# Altium PCB 191228 PCB.PcbDoc (part 1 of 3) (continued)
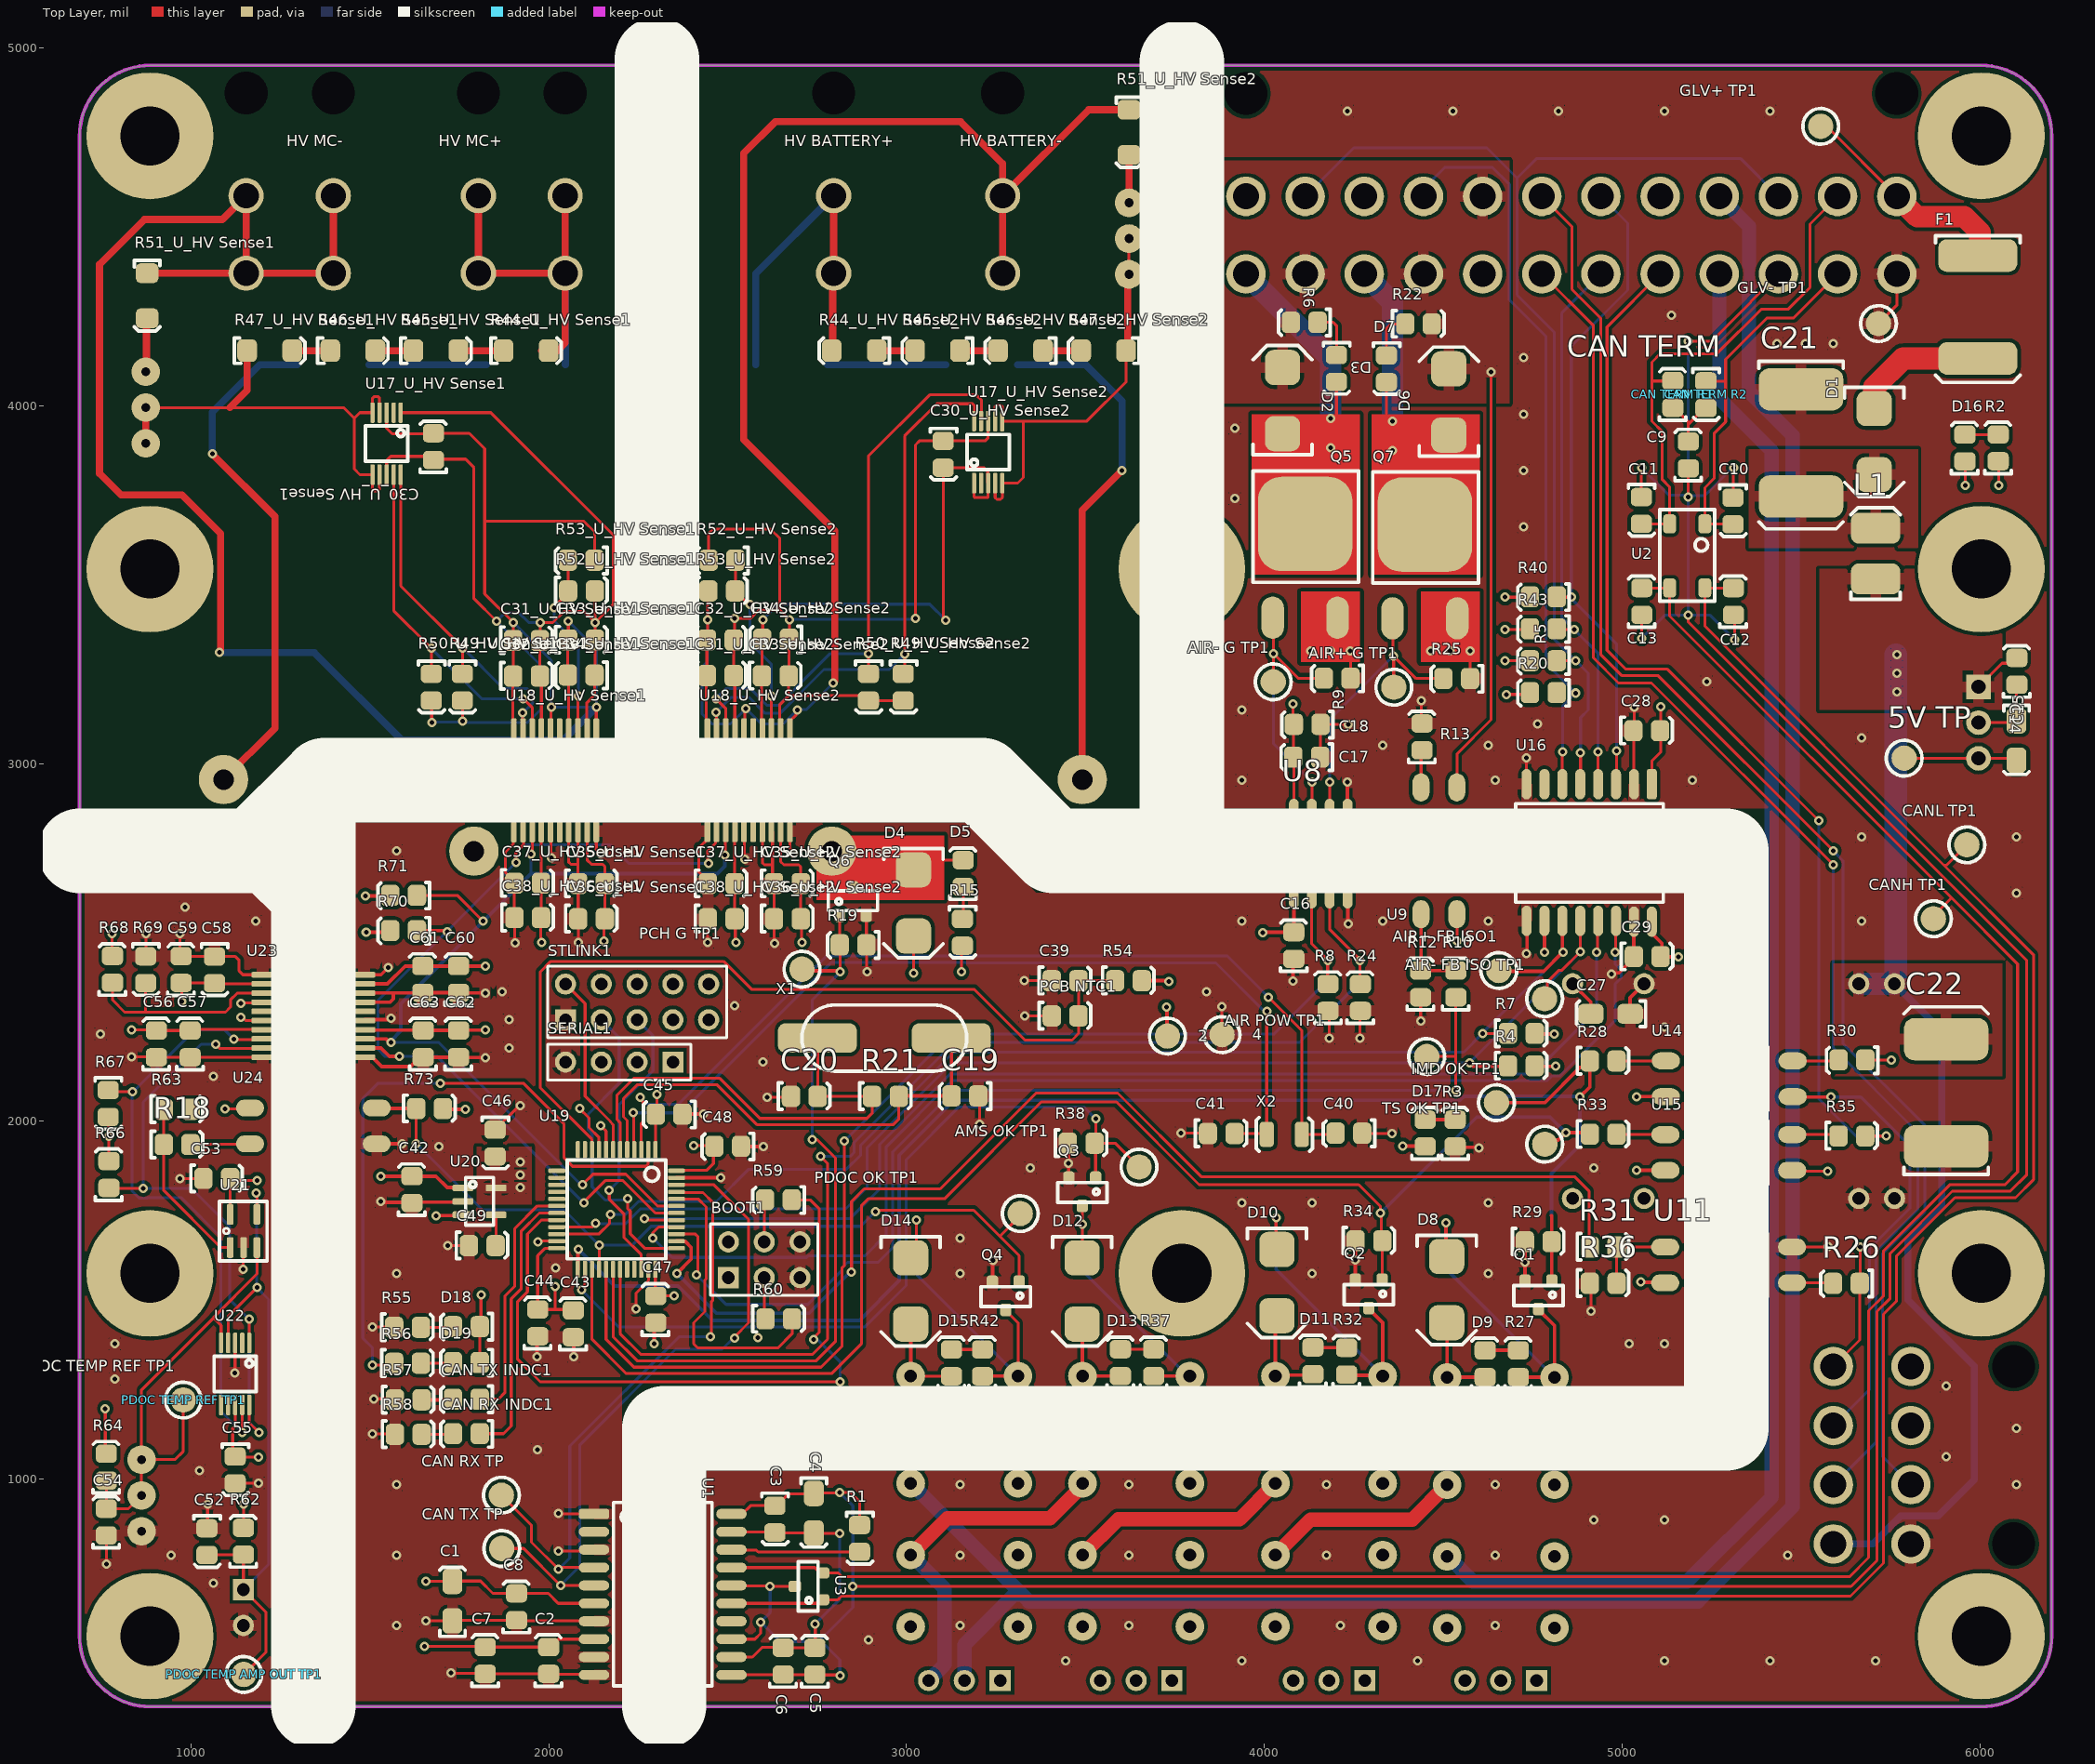
[diagram p0: Top Layer view]
## Classes and differential pairs
channel class "HV Sense": "U_HV Sense1" "U_HV Sense2"
component class "U_HV Sense2": "C30_U_HV Sense2" "C31_U_HV Sense2" "C32_U_HV Sense2" "C33_U_HV Sense2" "C34_U_HV Sense2" "C35_U_HV Sense2" "C36_U_HV Sense2" "C37_U_HV Sense2" "C38_U_HV Sense2" "R44_U_HV Sense2" "R45_U_HV Sense2" "R46_U_HV Sense2" "R47_U_HV Sense2" "R48_U_HV Sense2" "R49_U_HV Sense2" "R50_U_HV Sense2" "R51_U_HV Sense2" "R52_U_HV Sense2" "R53_U_HV Sense2" "U17_U_HV Sense2" "U18_U_HV Sense2"
component class "U_HV Sense1": "C30_U_HV Sense1" "C31_U_HV Sense1" "C32_U_HV Sense1" "C33_U_HV Sense1" "C34_U_HV Sense1" "C35_U_HV Sense1" "C36_U_HV Sense1" "C37_U_HV Sense1" "C38_U_HV Sense1" "R44_U_HV Sense1" "R45_U_HV Sense1" "R46_U_HV Sense1" "R47_U_HV Sense1" "R48_U_HV Sense1" "R49_U_HV Sense1" "R50_U_HV Sense1" "R51_U_HV Sense1" "R52_U_HV Sense1" "R53_U_HV Sense1" "U17_U_HV Sense1" "U18_U_HV Sense1"
component class "U_Digital Isolation": C28 C29 R26 R31 R36 R40 R43 U11 U16
component class U_PDOC: C52 C53 C54 C55 C56 C57 C58 C59 C60 C61 C62 C63 FTDI1 "PDOC NTC1" "PDOC TEMP AMP OUT TP1" "PDOC TEMP REF TP1" R18 R62 R63 R64 R65 R66 R67 R68 R69 R73 R75 R81 RESET1 U21 U22 U23 U24
component class U_Microcontroller: BOOT1 C19 C20 C39 C40 C41 C42 C43 C44 C45 C46 C47 C48 C49 "CAN RX INDC1" "CAN TX INDC1" D18 D19 "PCB NTC1" R21 R54 R55 R56 R57 R58 R59 R60 R70 R71 R75 R81 R82 R83 SERIAL1 STLINK1 U19 U20 X1 X2
component class "U_Safety Loops": "AMS Bypass1" "AMS OK TP1" D8 D9 D10 D11 D12 D13 D14 D15 "IMD Bypass1" "IMD OK TP1" K1 K2 K3 K4 "PDOC Bypass1" "PDOC OK TP1" Q1 Q2 Q3 Q4 R27 R28 R29 R30 R32 R33 R34 R35 R37 R38 R42 R81 R83 "TS Bypass1" "TS OK TP1" U14 U15
component class U_Precharge: "AIR POW TP1" "AIR+ FB ISO1" "AIR+ G TP1" "AIR- FB ISO TP1" "AIR- G TP1" C16 C17 C18 D2 D3 D4 D5 D6 D7 "PCH G TP1" Q5 Q6 Q7 R4 R5 R6 R7 R8 R9 R10 R11 R12 R13 R14 R15 R16 R17 R19 R20 R22 R24 R25 U8 U9 U10
component class "U_Power Supply": 2 4 "5V TP" C14 C15 C21 C22 C27 D1 D16 D17 F1 "GLV+ TP1" "GLV- TP1" L1 R2 R3 U4 U5
component class U_CAN: C1 C2 C3 C4 C5 C6 C7 C8 C9 C10 C11 C12 C13 "CAN RX TP" "CAN TERM R1" "CAN TERM R2" "CAN TX TP" "CANH TP1" "CANL TP1" R1 U1 U2 U3
component class "Top Level": "HV BATTERY+" "HV BATTERY+1" "HV BATTERY-" "HV BATTERY-1" "HV IMD+" "HV IMD+1" "HV IMD-" "HV IMD-1" "HV MC+" "HV MC+1" "HV MC-" "HV MC-1" "IMD INTERFACE" "IMD INTERFACE1" "PRIMARY INTERFACE" "PRIMARY INTERFACE1"

## Components (designator, comment, footprint, x,y, rotation, side; value= is the part's Value field where it differs from the comment)
2 "0mm" "SMD Test Point" 3729.33,2238.19 r90 top
4 "0mm" "SMD Test Point" 3881.89,2242.13 r90 top
"5V TP" "0mm" "SMD Test Point" 5788.39,3014.76 r90 top
"AIR POW TP1" "0mm" "SMD Test Point" 4454,2181 r90 top
"AIR+ FB ISO1" "0mm" "SMD Test Point" 4655.51,2421.26 r90 top
"AIR+ G TP1" "0mm" "SMD Test Point" 4362,3213 r90 top
"AIR- FB ISO TP1" "0mm" "SMD Test Point" 4783.46,2342.52 r90 top
"AIR- G TP1" "0mm" "SMD Test Point" 4025,3228 r90 top
"AMS Bypass1" "2.54mm" "TH 2.54mm Header 1x3" 3741.91,437.01 r180 bottom
"AMS OK TP1" "0mm" "SMD Test Point" 3650,1872 r90 top
BOOT1 "2.54mm" "TH 2.54mm Header 2x3" 2502.36,1562.99 r0 top
C1 "10nF" 1206 1731.31,706.22 r90 top
C2 "100nF" 0805 1999.02,493.62 r90 top
C3 "100nF" 0805 2633.35,887.82 r270 top
C4 "10nF" 1206 2741.34,857.33 r270 top
C5 "10uF" 0805 2743.12,491.65 r90 top
C6 "100nF" 0805 2654.54,491.65 r90 top
C7 "10uF" 0805 1821.86,493.62 r90 top
C8 "100nF" 0805 1909.41,643.7 r90 top
C9 "22pF" 0805 5184.09,3862.57 r90 top
C10 "100pF" 0805 5310.9,3705.09 r270 top
C11 "100pF" 0805 5054.99,3706.58 r270 top
C12 "100pF" 0805 5310.07,3453.12 r90 top
C13 "100pF" 0805 5054.17,3453.12 r90 top
C14 "10uF" 0805 6102.36,3257.87 r90 top
C15 "22uF" 1206 6102.36,3016.73 r270 top
C16 "100nF" 0805 4081.65,2491.62 r90 top
C17 "100nF" 0805 4118.13,3016.75 r180 top
C18 "10uF" 0805 4119.61,3108.22 r180 top
C19 "22pF" 0805 3162.91,2069.83 r180 top
C20 "22pF" 0805 2715.04,2070.66 r0 top
C21 "68uF" 2924 5500,3897.64 r270 top
C22 "22uF" 2924 5905.51,2077.76 r90 top
C27 "22uF" 1206 4920.28,2300.2 r180 top
C28 "100nF" 0805 5069.37,3092.61 r0 top
C29 "100nF" 0805 5070.75,2461.27 r0 top
"C30_U_HV Sense1" "100nF" 0805 1677.17,3885.83 r90 top (schematic designator C30)
"C30_U_HV Sense2" "100nF" 0805 3103.82,3863.35 r270 top (schematic designator C30)
"C31_U_HV Sense1" "10nF" 0805 1938.64,3344.6 r0 top (schematic designator C31)
"C31_U_HV Sense2" "10nF" 0805 2480.32,3246.78 r0 top (schematic designator C31)
"C32_U_HV Sense1" "100nF" 0805 1938.64,3245.17 r0 top (schematic designator C32)
"C32_U_HV Sense2" "100nF" 0805 2480.32,3346.21 r0 top (schematic designator C32)
"C33_U_HV Sense1" "10uF" 0805 2092.46,3346.21 r0 top (schematic designator C33)
"C33_U_HV Sense2" "10uF" 0805 2633.86,3245.95 r0 top (schematic designator C33)
"C34_U_HV Sense1" "100nF" 0805 2090.55,3245.95 r180 top (schematic designator C34)
"C34_U_HV Sense2" "100nF" 0805 2633.86,3346.21 r180 top (schematic designator C34)
"C35_U_HV Sense1" "100nF" 0805 2120.39,2665.29 r0 top (schematic designator C35)
"C35_U_HV Sense2" "100nF" 0805 2667.79,2665.29 r0 top (schematic designator C35)
"C36_U_HV Sense1" "10uF" 0805 2120.37,2566.89 r0 top (schematic designator C36)
"C36_U_HV Sense2" "10uF" 0805 2667.79,2566.89 r0 top (schematic designator C36)
"C37_U_HV Sense1" "100nF" 0805 1941.93,2666.34 r0 top (schematic designator C37)
"C37_U_HV Sense2" "100nF" 0805 2482.75,2665.29 r0 top (schematic designator C37)
"C38_U_HV Sense1" "10nF" 0805 1942.09,2570 r0 top (schematic designator C38)
"C38_U_HV Sense2" "10nF" 0805 2482.75,2566.89 r0 top (schematic designator C38)
C39 "100nF" 0805 3443.99,2393.95 r0 top
C40 "22pF" 0805 4236.08,1965.84 r180 top
C41 "22pF" 0805 3880.25,1966.87 r0 top
C42 "1uF" 0805 1617.08,1809.53 r90 top
C43 "100nF" 0805 2067.96,1434.57 r90 top
C44 "1uF" 0805 1968.5,1437.01 r90 top
C45 "1uF" 0805 2336.14,2018.65 r180 top
C46 "100nF" 0805 1851.43,1938.5 r270 top
C47 "100nF" 0805 2298.18,1474.88 r90 top
C48 "100nF" 0805 2500,1929.13 r180 top
C49 "22uF" 0805 1814.96,1653.54 r0 top
C52 "100nF" 0805 1046,824.75 r270 top
C53 "100nF" 0805 1073.07,1841.03 r0 top
C54 "100nF" 0805 762.75,880.4 r90 top
C55 "100nF" 0805 1125.03,1025.13 r270 top
C56 "10nF" 0805 902.75,2216.66 r90 top
C57 "100nF" 0805 997.24,2216.66 r90 top
C58 "10uF" 0805 1067.25,2422.64 r270 top
C59 "100nF" 0805 971.94,2424.54 r90 top
C60 "100nF" 0805 1747.19,2396.87 r90 top
C61 "10uF" 0805 1647.34,2396.87 r90 top
C62 "100nF" 0805 1747.19,2216.87 r90 top
C63 "10nF" 0805 1648.34,2216.87 r90 top
"CAN RX INDC1" "Blue" "0805 LED" 1769.69,1125.98 r180 top
"CAN RX TP" "0mm" "SMD Test Point" 1868,955 r0 top
"CAN TERM R1" "56R" 0805 5140.78,4031.86 r90 top
"CAN TERM R2" "56R" 0805 5235.27,4029.95 r270 top
"CAN TX INDC1" "Blue" "0805 LED" 1769.69,1222.44 r180 top
"CAN TX TP" "0mm" "SMD Test Point" 1869,806 r0 top
"CANH TP1" "0mm" "SMD Test Point" 5870.08,2565.94 r0 top
"CANL TP1" "0mm" "SMD Test Point" 5963.58,2772.64 r0 top
D1 "SD560BTR" "SMB Diode" 5704.72,3982.28 r270 top
D2 "SD560BTR" "SMB Diode" 4051.18,3931.46 r90 top
D3 "Orange" "0805 LED" 4202.75,4103.27 r270 top
D4 "SD560BTR" "SMB Diode" 3019.68,2692.91 r270 top
D5 "Orange" "0805 LED" 3157.48,2692.91 r90 top
D6 "SD560BTR" "SMB Diode" 4515.75,3927.53 r90 top
D7 "Orange" "0805 LED" 4342.52,4102.36 r270 top
D8 "SD560BTR" "SMB Diode" 4510,1612.2 r270 top
D9 "Green" "0805 LED" 4616.07,1322.87 r90 top
D10 "SD560BTR" "SMB Diode" 4035.43,1631.89 r270 top
D11 "Green" "0805 LED" 4135,1331 r90 top
D12 "SD560BTR" "SMB Diode" 3491.09,1608.27 r270 top
D13 "Green" "0805 LED" 3597,1326 r90 top
D14 "SD560BTR" "SMB Diode" 3011.81,1608.27 r270 top
D15 "Green" "0805 LED" 3124.95,1325.27 r90 top
D16 "Red" "0805 LED" 5957,3882 r90 top
D17 "Red" "0805 LED" 4448.82,1967.52 r90 top
D18 "Red" "0805 LED" 1769.69,1425.2 r180 top
D19 "Red" "0805 LED" 1769.69,1324.8 r180 top
F1 "0ZCF0100AF2A" 2920 5994.09,4419.29 r270 top
"GLV+ TP1" "0mm" "SMD Test Point" 5555.12,4780.51 r90 top
"GLV- TP1" "0mm" "SMD Test Point" 5716.54,4229.33 r90 top
"HV BATTERY+" "39300020" 39300020 2796.53,4586.61 r0 bottom locked
"HV BATTERY-" "39300020" 39300020 3268.97,4586.61 r0 bottom
"HV IMD+" "39300020" 39300020 2046.26,4586.61 r0 bottom locked
"HV IMD-" "39300020" 39300020 1154.53,4586.61 r0 bottom
"HV MC+" "39300020" 39300020 1803.82,4586.61 r0 bottom
"HV MC-" "39300020" 39300020 1398.31,4586.61 r0 bottom
"IMD Bypass1" "2.54mm" "TH 2.54mm Header 1x3" 4761.02,437.01 r180 bottom
"IMD INTERFACE" "39300080" 39300080 5807.09,818.9 r270 bottom
"IMD OK TP1" "0mm" "SMD Test Point" 4649,2052 r90 top
K1 "V23105A5475A201" "TI 2-DIL" 4661.02,934.1 r270 bottom
K2 "V23105A5475A201" "TI 2-DIL" 4181,938.04 r270 bottom
K3 "V23105A5475A201" "TI 2-DIL" 3641.91,938.04 r270 bottom
K4 "V23105A5475A201" "TI 2-DIL" 3161.89,938.04 r270 bottom
L1 "12uH" 1812 5708.66,3586.61 r90 top
"PCB NTC1" "10K (NTC) (B25/85 3430K)" 0805 3443.99,2295.53 r0 top
"PCH G TP1" "0mm" "SMD Test Point" 2708,2425 r90 top
"PDOC Bypass1" "2.54mm" "TH 2.54mm Header 1x3" 3261.89,437.01 r180 bottom
"PDOC NTC1" "2.54mm" "TH 2.54mm Header 1x2" 1147,691 r270 bottom
"PDOC OK TP1" "0mm" "SMD Test Point" 3318,1742 r90 top
"PDOC TEMP AMP OUT TP1" "0mm" "SMD Test Point" 1148,454 r90 top
"PDOC TEMP REF TP1" "0mm" "SMD Test Point" 979,1221 r90 top
"PRIMARY INTERFACE" "39300240" 39300240 5767.72,4584.65 r0 bottom
Q1 "2N7002K" "ON SOT-23 MOSFET" 4766.34,1514.84 r180 top
Q2 "2N7002K" "ON SOT-23 MOSFET" 4291.96,1517.48 r180 top
Q3 "2N7002K" "ON SOT-23 MOSFET" 3491.24,1802.94 r180 top
Q4 "2N7002K" "ON SOT-23 MOSFET" 3277.72,1512.17 r180 top
Q5 "STD70N10F4" "STM TO-252 MOSFET" 4204.72,3407.48 r180 top
Q6 "2N7002K" "ON SOT-23 MOSFET" 2850.39,2614.17 r0 top
Q7 "STD70N10F4" "STM TO-252 MOSFET" 4539.37,3405.51 r180 top
R1 "0R" 0805 2870.08,833.66 r270 top
R2 "680R" 0805 6050.15,3882.36 r90 top
R3 "510R" 0805 4532.48,1967.52 r90 top
R4 "20k" 0805 4718.88,2155.92 r0 top
R5 "10k" 0805 4779.53,3286.09 r180 top
R6 "1.5k" 0805 4111.16,4231.91 r180 top
R7 "20k" 0805 4718.88,2246.47 r0 top
R8 "20k" 0805 4177.17,2346.46 r90 top
R9 "20k" 0805 4203.27,3237.16 r180 top
R10 "680R" 0805 4534.4,2384.33 r90 top
R11 "1k" "B TO-263" 1946.85,3712.6 r0 bottom
R12 "20k" 0805 4435.98,2384.33 r90 top
R13 "1.5k" 0805 4439.91,3074.8 r90 top
R14 "1k" "B TO-263" 1397.64,3712.6 r0 bottom
R15 "1.5k" 0805 3157.48,2527.56 r270 top
R16 "1k" "B TO-263" 3210.63,3712.6 r0 bottom
R17 "1k" "B TO-263" 2679.13,3712.6 r0 bottom
R18 "680R" 0805 962.32,1935.91 r0 top
R19 "20k" 0805 2850.39,2492.13 r180 top
R20 "10k" 0805 4779.53,3196.85 r180 top
R21 "10M" 0805 2941.9,2070.66 r0 top
R22 "1.5k" 0805 4431.57,4229.38 r0 top
R24 "20k" 0805 4267.72,2346.46 r90 top
R25 "20k" 0805 4537.4,3236.22 r180 top
R26 "1.5k" 0805 5626.35,1546.08 r180 top
R27 "680R" 0805 4708.97,1322.87 r90 top
R28 "680R" 0805 4947.69,2169.39 r0 top
R29 "20k" 0805 4766.34,1664.45 r0 top
R30 "1.5k" 0805 5642.03,2170.35 r180 top
R31 "680R" 0805 4947.69,1649.5 r0 top
R32 "680R" 0805 4229,1330 r90 top
R33 "680R" 0805 4947.69,1964.87 r0 top
R34 "20k" 0805 4293.07,1667.03 r0 top
R35 "680R" 0805 5642.69,1959.91 r0 top
R36 "20k" 0805 4947.69,1548.17 r0 top
R37 "680R" 0805 3690,1326 r90 top
R38 "20k" 0805 3488.8,1939.7 r0 top
R40 "5.6k" 0805 4779.53,3464.57 r180 top
R42 "680R" 0805 3211.57,1325.27 r90 top
R43 "5.6k" 0805 4779.53,3375.33 r180 top
"R44_U_HV Sense1" "330K" "VB 0204" 1937.01,4153.54 r0 top (schematic designator R44)
"R44_U_HV Sense2" "330K" "VB 0204" 2854.33,4153.54 r180 top (schematic designator R44)
"R45_U_HV Sense1" "330K" "VB 0204" 1685.04,4153.54 r0 top (schematic designator R45)
"R45_U_HV Sense2" "330K" "VB 0204" 3086.61,4153.54 r180 top (schematic designator R45)
"R46_U_HV Sense1" "330K" "VB 0204" 1452.76,4153.54 r0 top (schematic designator R46)
"R46_U_HV Sense2" "330K" "VB 0204" 3318.9,4153.54 r180 top (schematic designator R46)
"R47_U_HV Sense1" "330K" "VB 0204" 1220.47,4153.54 r0 top (schematic designator R47)
"R47_U_HV Sense2" "330K" "VB 0204" 3551.18,4153.54 r180 top (schematic designator R47)
"R48_U_HV Sense1" "10K (Var)" "B 3296" 852.02,3991.09 r270 bottom (schematic designator R48)
"R48_U_HV Sense2" "10K (Var)" "B 3296" 3600.05,4463.54 r270 bottom (schematic designator R48)
"R49_U_HV Sense1" "5.6k" 0805 1759.84,3212.6 r270 top (schematic designator R49)
"R49_U_HV Sense2" "5.6k" 0805 2992.13,3212.6 r270 top (schematic designator R49)
"R50_U_HV Sense1" "5.6k" 0805 1673.23,3212.6 r270 top (schematic designator R50)
"R50_U_HV Sense2" "5.6k" 0805 2894.73,3212.6 r270 top (schematic designator R50)
"R51_U_HV Sense1" "10K" "VB 0204" 877.95,4307.09 r270 top (schematic designator R51)
"R51_U_HV Sense2" "10K" "VB 0204" 3622.05,4763.78 r270 top (schematic designator R51)
"R52_U_HV Sense1" "30k" 0805 2092.46,3483.22 r0 top (schematic designator R52)
"R52_U_HV Sense2" "30k" 0805 2484.25,3566.93 r180 top (schematic designator R52)
"R53_U_HV Sense1" "10k" 0805 2090.55,3566.93 r180 top (schematic designator R53)
"R53_U_HV Sense2" "10k" 0805 2484.25,3483.22 r0 top (schematic designator R53)
R54 "10k" 0805 3621.16,2393.95 r0 top
R55 "510R" 0805 1606.3,1425.2 r0 top
R56 "510R" 0805 1606.3,1324.8 r0 top
R57 "680R" 0805 1608.27,1222.44 r0 top
R58 "680R" 0805 1608.27,1125.98 r0 top
R59 "10k" 0805 2641.73,1779.53 r180 top
R60 "10k" 0805 2643.64,1448.82 r0 top
R62 "2k" 0805 1145.97,826.87 r90 top
R63 "3k" 0805 962.32,2034.34 r0 top
R64 "10k" 0805 762.75,1033.94 r90 top
R65 "10K (Var)" "B 3296" 840.2,950.94 r270 bottom
R66 "5.6k" 0805 770,1851.63 r90 top
R67 "5.6k" 0805 770,2049 r270 top
R68 "30k" 0805 780,2425 r90 top
R69 "10k" 0805 875,2423.09 r270 top
R70 "5.1k" 0805 1594.17,2531.95 r180 top
R71 "5.1k" 0805 1594.17,2630.37 r180 top
R73 "3k" 0805 1667.79,2036.46 r0 top
SERIAL1 "2.54mm" "TH 2.54mm Header 1x4" 2347.24,2165.35 r180 top
STLINK1 "2.54mm" "TH 2.54mm Header 2x5" 2047.24,2283.46 r0 top
"TS Bypass1" "2.54mm" "TH 2.54mm Header 1x3" 4281,437.01 r180 bottom
"TS OK TP1" "0mm" "SMD Test Point" 4784,1936 r90 top
U1 "ADM3053" "AD SOIC-W 20" 2318.85,677.68 r270 top
U2 "B82787C0104H002" "TDK 4-PC Pad" 5231.33,3669.65 r270 top
U3 "NUP2105L" "ON SOT-23" 2727.37,700.31 r90 top
U4 "R-78C5.0-1.0" "RECOM 3-SIP" 5996.06,3214.17 r270 bottom
U5 "JTC0424S05" "24-DIP Module, 7 Leads" 5311.43,2084.2 r180 bottom
U8 "ADUM3221ARZ" "AD 8-SOIC" 4157.68,2748.03 r0 top
U9 "LTV-817S-TA1" "ON 4-SMD" 4488.17,2746.05 r270 top
U10 "3350-1275-056" "CI SPST" 2291.34,2754.92 r180 bottom locked
U11 "LTV-817S-TA1" "ON 4-SMD" 5287.77,1598.31 r180 top
U14 "LTV-817S-TA1" "ON 4-SMD" 5289.61,2118.85 r180 top
U15 "LTV-817S-TA1" "ON 4-SMD" 5288.35,1912.66 r180 top
U16 "ADuM1400" "AD 16-SOIC" 4858.07,2749.91 r180 top
"U17_U_HV Sense1" "ADS1115" "TI 10-VSSOP" 1547.24,3893.7 r270 top (schematic designator U17)
"U17_U_HV Sense2" "ADS1115" "TI 10-VSSOP" 3228.35,3870.08 r90 top (schematic designator U17)
"U18_U_HV Sense1" "ADM3260" "AD 20-SSOP" 2018.01,2952.76 r0 top (schematic designator U18)
"U18_U_HV Sense2" "ADM3260" "AD 20-SSOP" 2558.87,2953 r0 top (schematic designator U18)
U19 "STM32F103C8T6" "STM 48-LQFP" 2190.01,1753.46 r180 top
U20 "RT9193-33GB" "RICHTEK SOT-23-5" 1799.67,1774.1 r270 top
U21 "TS391ILT" "ON SOT-23-5" 1085.39,1608.61 r0 top
U22 "ADS1115" "TI 10-VSSOP" 1124,1294 r270 top
U23 "ADM3260" "AD 20-SSOP" 1342.52,2294.29 r90 top
U24 "LTV-817S-TA1" "ON 4-SMD" 1352.36,1987.01 r0 top
X1 "Value" "Abracon HC-49/US" 2938.19,2232.5 r0 top
X2 "32.768kHz" "EPSON 2-SMD" 4056,1963.39 r180 top

## Footprints (in the part's own frame and the unit in brackets; to place one, negate y for a bottom-side part, rotate by r counter-clockwise, add the part's x,y. Pads: shape width x height; smd on the part's side, far side on the other; paste and mask are expansions set on the pad)
"24-DIP Module, 7 Leads" [mm]
  round 1.5 hole 0.9: 2(-11.43,-7.62) 3(-8.89,-7.62) 9(6.35,-7.62) 11(11.43,-7.62) 14(11.43,7.62) 16(6.35,7.62) 22(-8.89,7.62) 23(-11.43,7.62)
  silkscreen extent -15.88,-10.16 15.88,10.16, body extent -15.88,-10.16 15.87,10.16, height 10.41
0805 [mil]
  rrect50% 51.18x59.06 smd: 1(-37.87,-1.03) 2(36.93,-1.03)
  silkscreen extent -73,-37 71,37, body extent -39,-26 39,26, height 29
"0805 LED" [mil]
  rrect50% 51.18x59.06 smd: A(-37.87,-1.03) K(36.93,-1.03)
  silkscreen extent -73,-37 71,37, body extent -43,-25 35,25, height 39
1206 [mm]
  rrect50% 1.8x1.4 smd: 1(-2.6,0) 2(0.2,0)
  silkscreen extent -3.7,-0.9 1.2,0.9, body extent -2.9,-0.9 0.5,0.9, height 1.85
1812 [mm]
  rrect50% 2.2x3.5 smd: 1(-1.8,0) 2(1.8,0)
  silkscreen extent -3.25,-1.75 3.25,1.75, body extent -2.25,-1.6 2.25,1.6, height 2.5
2920 [mm]
  rrect50% 2.3x5.6 smd: 1(0,0) 2(7.3,0)
  silkscreen extent -1.4,-3 9,3, body extent -0.34,-2.81 7.64,2.81, height 1.14
2924 [mm]
  rrect50% 3x6 smd: 1(-3.75,0) 2(3.85,0)
  silkscreen extent -5.75,-3 6.15,3, body extent -3.94,-2.81 4.04,2.81, height 1.14
39300020 [mm]
  round 2.5 hole 1.8: 1(0,0) 2(0,5.5)
  round 1.524 hole 3.05: ""(0,-7.3)
  body extent -2.7,-13.97 3.1,5.97, height 11.4
39300080 [mm]
  round 2.8 hole 1.85: 1(0,0) 2(0,5.5) 3(-4.2,0) 4(-4.2,5.5) 5(-8.4,0) 6(-8.4,5.5) 7(-12.6,0) 8(-12.6,5.5)
  round 1.524 hole 3.05: ""(-12.6,-7.3) ""(0,-7.3)
  body extent -15.3,-13.9 3.1,6.04, height 11.4
39300240 [mm]
  round 2.8 hole 1.85: 1(0,0) 2(0,5.5) 3(-4.2,0) 4(-4.2,5.5) 5(-8.4,0) 6(-8.4,5.5) 7(-12.6,0) 8(-12.6,5.5) 9(-16.8,0) 10(-16.8,5.5) 11(-21,0) 12(-21,5.5) 13(-25.2,0) 14(-25.2,5.5) 15(-29.4,0) 16(-29.4,5.5) 17(-33.6,0) 18(-33.6,5.5) 19(-37.8,0) 20(-37.8,5.5) 21(-42,0) 22(-42,5.5) 23(-46.2,0) 24(-46.2,5.5)
  round 1.524 hole 3.05: ""(-46.2,-7.3) ""(0,-7.3)
  body extent -48.9,-13.9 3.1,6.03, height 11.4
"Abracon HC-49/US" [mm]
  rrect50% 5.6x2.1 smd: 1(-4.75,0) 2(4.75,0)
  silkscreen extent -5.85,-2.35 5.85,2.35, body extent -6.35,-2.35 6.35,2.35, height 4.06
"AD 8-SOIC" [mm]
  oval 0.7x1.8 smd: 1(-1.905,-3) 2(-0.635,-3) 3(0.635,-3) 4(1.905,-3) 5(1.905,3) 6(0.635,3) 7(-0.635,3) 8(-1.905,3)
  silkscreen extent -2.87,-2 3.05,2, body extent -2.5,-3.1 2.5,3.1, height 1.76
"AD 16-SOIC" [mil]
  rrect50% 28x85 smd: 1(-225,-192.02)
  oval 28x85 smd: 2(-175,-192.02) 3(-125,-192.02) 4(-75,-192.02) 5(-25,-192.02) 6(25,-192.02) 7(75,-192.02) 8(125,-192.02) 9(125,190) 10(75,189.96) 11(25,189.96) 12(-25,189.96) 13(-75,189.96) 14(-125,189.96) 15(-175,191.98) 16(-225,191.98)
  silkscreen extent -257,-138 155,138, body extent -256,-209 156,209, height 104
"AD 20-SSOP" [mm]
  rrect50% 0.4x1.6 smd: 1(-2.925,-3.6) 2(-2.275,-3.6) 3(-1.625,-3.6) 4(-0.975,-3.6) 5(-0.325,-3.6) 6(0.325,-3.6) 7(0.975,-3.6) 8(1.625,-3.6) 9(2.275,-3.6) 10(2.925,-3.6) 11(2.925,3.6) 12(2.275,3.6) 13(1.625,3.6) 14(0.975,3.6) 15(0.325,3.6) 16(-0.325,3.6) 17(-0.975,3.6) 18(-1.625,3.6) 19(-2.275,3.6) 20(-2.925,3.6)
  silkscreen extent -3.5,-2.5 3.5,2.5, body extent -3.64,-3.9 3.56,3.9, height 1.2
"AD SOIC-W 20" [mil]
  rrect50% 28x85 smd: 1(-225,-192.02)
  oval 28x85 smd: 2(-175,-192.02) 3(-125,-192.02) 4(-75,-192.02) 5(-25,-192.02) 6(25,-192.02) 7(75,-192.02) 8(125,-192.02) 9(175,-192.02) 10(225,-192.02) 11(225,192.02) 12(175,191.98) 13(125,191.98) 14(75,191.98) 15(25,191.98) 16(-25,191.98) 17(-75,191.98) 18(-125,191.98) 19(-175,191.98) 20(-225,191.98)
  silkscreen extent -257,-138 256,138, body extent -260,-210 260,210, height 105
"B 3296" [mil]
  round 80 hole 25.2: 1(-103.39,-22) 2(-3.39,-22) 3(96.61,-22)
  silkscreen extent -193,-97 187,143, body extent -191,-97 184,143, height 455
"B TO-263" [mm]
  rrect50% 2x3.8 smd: 1(-2.55,-10.2) 2(2.55,-10.2)
  rrect50% 12.7x11.4 smd: ""(0,0)
  silkscreen extent -6.8,-10.56 6.75,6.1, body extent -5.19,-11.02 5.45,4.83, height 4.8
"CI SPST" [mm]
  round 3.5 hole 1.45: 1(30.48,5.08) 2(12.7,0) 3(-12.7,0) 4(-30.48,5.08)
  silkscreen extent -38.73,-8.26 38.73,13.97, body extent -38.1,-4.45 38.1,13.34, height 20.57
"EPSON 2-SMD" [mm]
  rrect50% 1x1.8 smd: 1(-1.25,0) 2(1.25,0)
  silkscreen extent -2,-1.2 2,1.2, body extent -1.5,-1 1.5,1, height 1
"ON 4-SMD" [mm] "SOP, 4-Leads, Body 3.85x4.4mm, Pitch 2.54mm, IPC Medium Density"
  oval 2x1.2 smd: 1(-4.75,1.27) 2(-4.75,-1.27) 3(4.25,-1.27) 4(4.25,1.27)
  silkscreen extent -3,-2.25 2.5,2.25, body extent -5.33,-2.3 4.83,2.3, height 4.6
"ON SOT-23" [mm] "NUP2105L"
  rrect50% 0.8x0.9 smd: 1(-0.95,-1) 2(0.95,-1) 3(0,1)
  silkscreen extent -1.75,-0.65 1.75,0.75, body extent -1.5,-1.27 1.5,1.28, height 1
"ON SOT-23 MOSFET" [mm] "NUP2105L"
  rrect50% 0.8x0.9 smd: D(0,1) G(-0.95,-1) S(0.95,-1)
  silkscreen extent -1.75,-0.65 1.75,0.75, body extent -1.5,-1.27 1.5,1.28, height 1
"ON SOT-23-5" [mil]
  rrect50% 19x58 smd: 1(24.61,38.39) 2(62.01,38.39) 3(99.41,38.39) 4(99.41,131.39) 5(24.61,131.39)
  silkscreen extent -5,1 128,167, body extent 2,27 122,145, height 57
"RECOM 3-SIP" [mm] "12 to 42 Vdc In, 9 Vdc Out"
  rect 1.75x1.75 hole 1: 1(0,0)
  round 1.75 hole 1: 2(2.54,0) 3(5.08,0)
  silkscreen extent -3.5,-2 8.5,6.5, body extent -3.26,-2.02 8.34,6.48, height 11.41
"RICHTEK SOT-23-5" [mil]
  rrect50% 19x58 smd: 1(-39.37,-39.37) 2(-1.97,-39.37) 3(35.43,-39.37) 4(35.43,53.63) 5(-39.37,53.63)
  silkscreen extent -69,-31 64,46, body extent -62,-51 58,67, height 57
"SMB Diode" [mm]
  rrect50% 2.5x2.5 smd: A(-0.25,0) K(4.45,0)
  silkscreen extent -1.75,-2.1 6,2.1, body extent -0.69,-1.97 4.9,1.97, height 2.5
"SMD Test Point" [mm]
  round 1.8 smd: 1(0,0)
  silkscreen extent -1.27,-1.27 1.27,1.27
"STM 48-LQFP" [mm]
  rrect50% 0.3x1.2 smd: 1(-2.75,-4.25) 2(-2.25,-4.25) 3(-1.75,-4.25) 4(-1.25,-4.25) 5(-0.75,-4.25) 6(-0.25,-4.25) 7(0.25,-4.25) 8(0.75,-4.25) 9(1.25,-4.25) 10(1.75,-4.25) 11(2.25,-4.25) 12(2.75,-4.25) 25(2.75,4.25) 26(2.25,4.25) 27(1.75,4.25) 28(1.25,4.25) 29(0.75,4.25) 30(0.25,4.25) 31(-0.25,4.25) 32(-0.75,4.25) 33(-1.25,4.25) 34(-1.75,4.25) 35(-2.25,4.25) 36(-2.75,4.25)
  rrect50% 1.2x0.3 smd: 13(4.25,-2.75) 14(4.25,-2.25) 15(4.25,-1.75) 16(4.25,-1.25) 17(4.25,-0.75) 18(4.25,-0.25) 19(4.25,0.25) 20(4.25,0.75) 21(4.25,1.25) 22(4.25,1.75) 23(4.25,2.25) 24(4.25,2.75) 37(-4.25,2.75) 38(-4.25,2.25) 39(-4.25,1.75) 40(-4.25,1.25) 41(-4.25,0.75) 42(-4.25,0.25) 43(-4.25,-0.25) 44(-4.25,-0.75) 45(-4.25,-1.25) 46(-4.25,-1.75) 47(-4.25,-2.25) 48(-4.25,-2.75)
  silkscreen extent -3.5,-3.5 3.5,3.5, body extent -4.6,-4.6 4.6,4.6, height 1.6
"STM TO-252 MOSFET" [mm]
  rrect50% 6.7x6.7 smd: D(2.3,-6.65)
  oval 1.6x3 smd: G(4.6,0) S(0,0)
  silkscreen extent -1.5,-10.4 6,-2.5, body extent -1.08,-9.67 5.64,0.75, height 2.39
"TDK 4-PC Pad" [mm]
  rrect50% 1.35x0.9 smd: 1(0,0) 2(0,-2.5) 3(4.55,-2.5) 4(4.55,0)
  silkscreen extent -1,-3.2 5.5,0.7, body extent -0.02,-2.82 4.48,0.38, height 2.8
"TH 2.54mm Header 1x2" [mm]
  rect 1.5x1.5 hole 0.9: 1(0,0)
  round 1.5 hole 0.9: 2(2.54,0)
  silkscreen extent -1.27,-1.27 3.81,1.27
"TH 2.54mm Header 1x3" [mm]
  rect 1.5x1.5 hole 0.9: 1(0,0)
  round 1.5 hole 0.9: 2(2.54,0) 3(5.08,0)
  silkscreen extent -1.27,-1.27 6.35,1.27
"TH 2.54mm Header 1x4" [mm]
  rect 1.5x1.5 hole 0.9: 1(0,0)
  round 1.5 hole 0.9: 2(2.54,0) 3(5.08,0) 4(7.62,0)
  silkscreen extent -1.27,-1.27 8.89,1.27
"TH 2.54mm Header 2x3" [mm]
  rect 1.5x1.5 hole 0.9: 1(0,0)
  round 1.5 hole 0.9: 2(0,2.54) 3(2.54,0) 4(2.54,2.54) 5(5.08,0) 6(5.08,2.54)
  silkscreen extent -1.27,-1.27 6.35,3.81
"TH 2.54mm Header 2x5" [mm]
  rect 1.5x1.5 hole 0.9: 1(0,0)
  round 1.5 hole 0.9: 2(0,2.54) 3(2.54,0) 4(2.54,2.54) 5(5.08,0) 6(5.08,2.54) 7(7.62,0) 8(7.62,2.54) 9(10.16,0) 10(10.16,2.54)
  silkscreen extent -1.27,-1.27 11.43,3.81
"TI 2-DIL" [mil]
  round 80 hole 35.43: 1(-350,-150) 4(-50,-150) 6(150,-150) 8(350,-150) 9(350,150) 11(150,150) 13(-50,150) 16(-350,150)
  silkscreen extent -400,-200 400,200, body extent -398,-197 398,197, height 450
"TI 10-VSSOP" [mm]
  rrect50% 1.45x0.3 smd: 1(-2.2,1) 2(-2.2,0.5) 3(-2.2,0) 4(-2.2,-0.5) 5(-2.2,-1) 6(2.2,-1) 7(2.2,-0.5) 8(2.2,0) 9(2.2,0.5) 10(2.2,1)
  silkscreen extent -1.25,-1.5 1.25,1.5, body extent -2.45,-1.5 2.45,1.5, height 1.12
"VB 0204" [mm]
  rrect50% 1.4x1.6 smd: 1(-1.6,0) 2(1.6,0)
  silkscreen extent -2.5,-0.9 2.5,0.9, body extent -1.8,-0.7 1.8,0.7, height 1.4

## Part data
2 4 "5V TP" "AIR POW TP1" "AIR+ FB ISO1" "AIR+ G TP1" "AIR- FB ISO TP1" "AIR- G TP1" "AMS OK TP1" "CAN RX TP" "CAN TX TP" "CANH TP1" "CANL TP1" "GLV+ TP1" "GLV- TP1" "IMD OK TP1" "PCH G TP1" "PDOC OK TP1" "PDOC TEMP AMP OUT TP1" "PDOC TEMP REF TP1" "TS OK TP1": library part "SMD Test Point", Angle=0, Contact=NA, Flange=No, Part Number="SMD Test Point", Pitch=0mm, Positions=1, Row Spacing=0
"AMS Bypass1" "IMD Bypass1" "PDOC Bypass1" "TS Bypass1": library part "TH 2.54mm Header 1x3", Angle=0, Contact=NA, Flange=No, Part Number="TH 2.54mm Header 1x3", Pitch=2.54mm, Positions=3, Row Spacing=2.54mm
BOOT1: library part "TH 2.54mm Header 2x3", Angle=0, Contact=NA, Flange=No, Part Number="TH 2.54mm Header 2x3", Pitch=2.54mm, Positions=6, Row Spacing=2.54mm
C1 C4: library part GCM3195C2A103JA16D, Digikey Part Number=490-4978-2-ND, Manufacturer=muRata, Rated Voltage=100V, Tolerance=5%, Material=Ceramic, Part Number=GCM3195C2A103JA16D
C2 C3 C6 C8 C16 C17 C28 C29 "C30_U_HV Sense1" "C30_U_HV Sense2" "C32_U_HV Sense1" "C32_U_HV Sense2" "C34_U_HV Sense1" "C34_U_HV Sense2" "C35_U_HV Sense1" "C35_U_HV Sense2" "C37_U_HV Sense1" "C37_U_HV Sense2" C39 C43 C46 C47 C48 C52 C53 C54 C55 C57 C59 C60 C62: library part GCM21BR71E104KA37L, Manufacturer=muRata, Rated Voltage=25V, Tolerance=10%, Material=X7R, Part Number=GCM21BR71E104KA37L
C5 C7 C14 C18 "C33_U_HV Sense1" "C33_U_HV Sense2" "C36_U_HV Sense1" "C36_U_HV Sense2" C58 C61: library part GRM21BR6YA106KE43L, Digikey Part Number=490-10514-6-ND, Manufacturer=muRata, Rated Voltage=50V, Tolerance=10%, Material=X5R, Part Number=GRM21BR6YA106KE43L
C9 C19 C20 C40 C41: library part GCM21B5C1H220JA37L, Manufacturer=muRata, Rated Voltage=50V, Tolerance=5%, Material=C0G, Part Number=GCM21B5C1H220JA37L
C10 C11 C12 C13: library part GCM21B5C1H101JA37L, Manufacturer=muRata, Rated Voltage=50V, Tolerance=5%, Material=C0G, Part Number=GCM21B5C1H101JA37L
C15 C27: library part CC1206MKX5R7BB226, Digikey Part Number=311-1997-2-ND, Manufacturer=YAGEO, Rated Voltage=16V, Tolerance=20%, Material=Ceramic, Part Number=CC1206MKX5R7BB226
C21: library part TAJV686K035RNJ, Digikey Part Number=478-13135-1-ND, Manufacturer="AVX Corporation", Rated Voltage=35V, Tolerance=10%, Material=Tantalum, Part Number=TAJV686K035RNJ
C22: library part TAJV226K050RNJ, Digikey Part Number=478-5811-1-ND, Manufacturer="AVX Corporation", Rated Voltage=50V, Tolerance=10%, Material=Tantalum, Part Number=TAJV226K050RNJ
"C31_U_HV Sense1" "C31_U_HV Sense2" "C38_U_HV Sense1" "C38_U_HV Sense2" C56 C63: library part GCM21BR71H103KA37L, Manufacturer=muRata, Rated Voltage=50V, Tolerance=10%, Material=X7R, Part Number=GCM21BR71H103KA37L
C42 C44 C45: library part GCM21BR71A105KA37L, Manufacturer=muRata, Rated Voltage=10V, Tolerance=10%, Material=X7R, Part Number=GCM21BR71A105KA37L
C49: library part GRM21BR61A226ME51L, Digikey Part Number=490-10511-1-ND, Manufacturer=muRata, Rated Voltage=10V, Tolerance=20%, Material=X5R, Part Number=GRM21BR61A226ME51L
"CAN RX INDC1" "CAN TX INDC1": library part SML-MN2BCTT86C, "LED BLUE CLEAR 2012 SMD", Digikey Part Number=846-1207-1-ND, Manufacturer="ROHM Semiconductor", Colour=Blue, Digikey Link=https://www.digikey.com/product-detail/en/rohm-semiconductor/SMLMN2BCTT86C/846-1207-1-ND/6057239, Part Number=SML-MN2BCTT86C
"CAN TERM R1" "CAN TERM R2": library part RC0805FR0756RL, Manufacturer=YAGEO, Rated Voltage=0.125W, Tolerance=0.01, Material=FR-07, Part Number=RC0805FR0756RL
D1 D2 D4 D6 D8 D10 D12 D14: "1.2V_F 600V 5A SMB", Digikey Part Number=1655-1530-2-ND, Manufacturer="SMC Diode Solutions", Digikey Link=https://www.digikey.com/product-detail/en/smc-diode-solutions/SD560BTR/1655-1530-2-ND/6022620, Part Number=SD560BTR
D3 D5 D7: library part SML-211DTT86, "Orange LED Indication - Discrete 1.75V 0805 (2012 Metric)", Digikey Part Number=511-1291-1-ND, Manufacturer="ROHM Semiconductor", Colour=Orange, Digikey Link=https://www.digikey.com/product-detail/en/rohm-semiconductor/SML-211DTT86/511-1291-1-ND/637104, Part Number=SML-211DTT86
D9 D11 D13 D15: library part SML-210FTT86, "Green LED Indication - Discrete 1.75V 0805 (2012 Metric)", Digikey Part Number=511-1285-1-ND, Manufacturer="ROHM Semiconductor", Colour=Green, Digikey Link=https://www.digikey.com/product-detail/en/rohm-semiconductor/SML-210FTT86/511-1285-1-ND/637098, Part Number=SML-210FTT86
D16 D17 D18 D19: library part SML-210LTT86, "Red LED Indication - Discrete 1.75V 0805 (2012 Metric)", Digikey Part Number=511-1286-1-ND, Manufacturer="ROHM Semiconductor", Colour=Red, Digikey Link=https://www.digikey.com/product-detail/en/rohm-semiconductor/SML-210LTT86/511-1286-1-ND/637099, Part Number=SML-210LTT86
F1: "PTC RESET FUSE 60V 1A 292", Digikey Part Number=507-2070-1-ND, Manufacturer="Littelfuse Inc.", Digikey Link=https://www.digikey.com/product-detail/en/bel-fuse-inc/0ZCF0100AF2A/507-2070-1-ND/6210547, Part Number=0ZCF0100AF2A
"HV BATTERY+" "HV BATTERY-" "HV IMD+" "HV IMD-" "HV MC+" "HV MC-": Digikey Part Number=WM21351-ND, Angle=90, Contact=Tin, Flange=No, Part Number=39300020, Pitch=4.2mm, Positions=2, Row Spacing=5.5mm
"IMD INTERFACE": Digikey Part Number=WM21354-ND, Angle=90, Contact=Tin, Flange=No, Part Number=39300080, Pitch=4.2mm, Positions=8, Row Spacing=5.5mm
K1 K2 K3 K4: "5V DPDT Relay 3A 220VDC", Digikey Part Number=PB383-ND, Manufacturer=Axicom, Digikey Link=https://www.digikey.com/products/en?mpart=V23105A5001A201&v=41, Part Number=V23105A5475A201
L1: library part RLS-126, Digikey Part Number=945-3429-ND, Manufacturer=Recom, Rated Current=800mA, Tolerance=0.2, Impedence=230mOhm, Inductance=12uH, Material=Wirewound, Part Number=RLS-126
"PCB NTC1": library part NTCS0805E3103FLT, Digikey Part Number=BC2733CT-ND, Manufacturer="Vishay Beyschlag", Rated Voltage=210mW, Tolerance=0.01, Part Number=NTCS0805E3103FLT
"PDOC NTC1": library part "TH 2.54mm Header 1x2", Angle=0, Contact=NA, Flange=No, Part Number="TH 2.54mm Header 1x2", Pitch=2.54mm, Positions=2, Row Spacing=2.54mm
"PRIMARY INTERFACE": Digikey Part Number=WM21362-ND, Angle=90, Contact=Tin, Flange=No, Part Number=39300240, Pitch=4.2mm, Positions=24, Row Spacing=5.5mm
Q1 Q2 Q3 Q4 Q6: "60V 380mA, NFET MOSTFET (Small Signal)", Digikey Part Number=2N7002KCT-ND, Manufacturer="ON Semiconductor", Digikey Link=https://www.digikey.com/product-detail/en/on-semiconductor/2N7002K/2N7002KCT-ND/2060375, LatestRevisionDate=29-May-2009, LatestRevisionNote="IPC-7351 Footprint Added.", PackageDescription="4-Pin SOT-343 Package 1.3 mm Pitch, 2.1 mm Lead Span", PackageReference=SOT-343, PackageVersion=Sep-2000, Part Number=2N7002K, Published=24-Mar-1999, Publisher="Altium Limited", Qty=30
Q5 Q7: "N-Channel 100V 60A (Tc) 125W (Tc) Surface Mount DPAK", Digikey Part Number=497-8806-2-ND, Manufacturer=STMicroelectronics, Digikey Link=https://www.digikey.com/product-detail/en/stmicroelectronics/STD70N10F4/497-8806-2-ND/2035599, LatestRevisionDate=29-May-2009, LatestRevisionNote="IPC-7351 Footprint Added.", PackageDescription="4-Pin SOT-343 Package 1.3 mm Pitch, 2.1 mm Lead Span", PackageReference=SOT-343, PackageVersion=Sep-2000, Part Number=STD70N10F4, Published=24-Mar-1999, Publisher="Altium Limited"
R1: library part RC0805FR070RL, Manufacturer=YAGEO, Rated Voltage=0.125W, Tolerance=0.01, Material=FR-07, Part Number=RC0805FR070RL
R2 R10 R18 R27 R28 R31 R32 R33 R35 R37 R42 R57 R58: library part RC0805FR07680RL, Manufacturer=YAGEO, Rated Voltage=0.125W, Tolerance=0.01, Material=FR-07, Part Number=RC0805FR07680RL
R3 R55 R56: library part RC0805FR07510RL, Manufacturer=YAGEO, Rated Voltage=0.125W, Tolerance=0.01, Material=FR-07, Part Number=RC0805FR07510RL
R4 R7 R8 R9 R12 R19 R24 R25 R29 R34 R36 R38: library part RC0805FR0720KL, Manufacturer=YAGEO, Rated Voltage=0.125W, Tolerance=0.01, Material=FR-07, Part Number=RC0805FR0720KL
R5 R20 "R53_U_HV Sense1" "R53_U_HV Sense2" R54 R59 R60 R64 R69: library part RC0805FR0710KL, Manufacturer=YAGEO, Rated Voltage=0.125W, Tolerance=0.01, Material=FR-07, Part Number=RC0805FR0710KL
R6 R13 R15 R22 R26 R30: library part RC0805FR071K5L, Manufacturer=YAGEO, Rated Voltage=0.125W, Tolerance=0.01, Material=FR-07, Part Number=RC0805FR071K5L
R11 R14 R16 R17: library part PWR263S-35-1001J, Digikey Part Number=PWR263S-35-1001J-ND, Manufacturer="Bournes Inc", Rated Voltage=35W, Tolerance=0.05, Part Number=PWR263S-35-1001J
R21: library part RC0805FR0710ML, Manufacturer=YAGEO, Rated Voltage=0.125W, Tolerance=0.01, Material=FR-07, Part Number=RC0805FR0710ML
R40 R43 "R49_U_HV Sense1" "R49_U_HV Sense2" "R50_U_HV Sense1" "R50_U_HV Sense2" R66 R67: library part RC0805FR075K6L, Manufacturer=YAGEO, Rated Voltage=0.125W, Tolerance=0.01, Material=FR-07, Part Number=RC0805FR075K6L
"R44_U_HV Sense1" "R44_U_HV Sense2" "R45_U_HV Sense1" "R45_U_HV Sense2" "R46_U_HV Sense1" "R46_U_HV Sense2" "R47_U_HV Sense1" "R47_U_HV Sense2": library part MMA02040C3303FB300, Digikey Part Number=MMA-330KACT-ND, Manufacturer="Vishay Beyschlag", Rated Voltage=0.4W, Tolerance=0.01, Part Number=MMA02040C3303FB300
"R48_U_HV Sense1" "R48_U_HV Sense2" R65: library part 3296W-1-103LF, Digikey Part Number=3296W-103LF-ND, Manufacturer="Bournes Inc", Rated Voltage=0.5W, Tolerance=0.1, Part Number=3296W-1-103LF
"R51_U_HV Sense1" "R51_U_HV Sense2": library part MMA02040C1002FB300, Digikey Part Number=MMA-10KACT-ND, Manufacturer="Vishay Beyschlag", Rated Voltage=0.4W, Tolerance=0.01, Part Number=MMA02040C1002FB300
"R52_U_HV Sense1" "R52_U_HV Sense2" R68: library part RC0805FR0730KL, Manufacturer=YAGEO, Rated Voltage=0.125W, Tolerance=0.01, Material=FR-07, Part Number=RC0805FR0730KL
R62: library part RC0805FR072KL, Manufacturer=YAGEO, Rated Voltage=0.125W, Tolerance=0.01, Material=FR-07, Part Number=RC0805FR072KL
R63 R73: library part RC0805FR073KL, Manufacturer=YAGEO, Rated Voltage=0.125W, Tolerance=0.01, Material=FR-07, Part Number=RC0805FR073KL
R70 R71: library part RC0805FR075K1L, Manufacturer=YAGEO, Rated Voltage=0.125W, Tolerance=0.01, Material=FR-07, Part Number=RC0805FR075K1L
SERIAL1: library part "TH 2.54mm Header 1x4", Angle=0, Contact=NA, Flange=No, Part Number="TH 2.54mm Header 1x4", Pitch=2.54mm, Positions=4, Row Spacing=2.54mm
STLINK1: library part "TH 2.54mm Header 2x5", Angle=0, Contact=NA, Flange=No, Part Number="TH 2.54mm Header 2x5", Pitch=2.54mm, Positions=10, Row Spacing=2.54mm
U1: "Isolated CAN Transceiver", Digikey Part Number=ADM3053BRWZ-ND, Manufacturer="Analogue Devices", Digikey Link=https://www.digikey.com/product-detail/en/analog-devices-inc/ADM3053BRWZ/ADM3053BRWZ-ND/2709332, Part Number=ADM3053
U2: "100µH @ 100kHz 2 Line Common Mode Choke Surface Mount 5.8 kOhms @ 10MHz 150mA DCR 2Ohm", Digikey Part Number=495-4598-1-ND, Inductance="100µH @ 100kHz", Manufacturer="EPCOS (TDK)", Rated Current=150mA, Digikey Link=https://www.digikey.com/product-detail/en/epcos-tdk/B82787C0104H002/495-4598-2-ND/3680998, Impedence="5.8 kOhms @ 10MHz", Material=Wirewound, Part Number=B82787C0104H002
U3: "Dual Line CAN Bus Protector", Digikey Part Number=NUP2105LT1GOSCT-ND, Manufacturer="ON Semiconductor", Digikey Link=https://www.digikey.com/product-detail/en/on-semiconductor/NUP2105LT1G/NUP2105LT1GOSCT-ND/1485001, Part Number=NUP2105L
U4: "CONV DC/DC 1A 5V OUT SIP VERT", Digikey Part Number=945-1395-5-ND, Manufacturer=Recom, Digikey Link=https://www.digikey.com.au/product-detail/en/recom-power/R-78C5.0-1.0/945-1395-5-ND/2652148, Isolation=Non-Isolated, Part Number=R-78C5.0-1.0
U5: "DC DC CONVERTER 5V 4W", Digikey Part Number=JTC0424S05-ND, Input Voltage=9V-36V, Manufacturer="XP Power", Output Power=4W, Output Voltage=5V, Digikey Link=https://www.digikey.com/products/en?keywords=%20JTC0424S05, Efficiency=0.79, Isolation=Isolated, Part Number=JTC0424S05
U8: "4A Gate Driver Magnetic Coupling 2500Vrms 2 Channel 8-SOIC", Digikey Part Number=ADUM3221ARZ-ND, Manufacturer="Analog Devices", Digikey Link=https://www.digikey.com/product-detail/en/analog-devices-inc/ADUM3221ARZ/ADUM3221ARZ-ND/2616333, Part Number=ADUM3221ARZ
U9 U11 U14 U15 U24: "35V 50ma Optocoupler (VF=1.2V)", Digikey Part Number=160-1893-2-ND, Manufacturer="Lite-On Inc", Digikey Link=https://www.digikey.com/product-detail/en/lite-on-inc/LTV-817S-TA1/160-1893-2-ND/388451, Part Number=LTV-817S-TA1
U10: "RELAY REED HV SPST 200W 3A 5V (NO)", Digikey Part Number=1835-1036-ND, Manufacturer="Comus International", Digikey Link=https://www.digikey.com.au/product-detail/en/comus-international/3350-1275-056/1835-1036-ND/7515918, Part Number=3350-1275-056
U16: "General Purpose Digital Isolator 2500Vrms 4 Channel 1Mbps 25kV/µs CMTI 16-SOIC (0.295\", 7.50mm Width)", Digikey Part Number=ADUM1400WSRWZ-ND, Manufacturer="Analog Devices", Digikey Link=https://www.digikey.com/product-detail/en/analog-devices-inc/ADUM1400WSRWZ/ADUM1400WSRWZ-ND/1873713, Part Number=ADuM1400
"U17_U_HV Sense1" "U17_U_HV Sense2" U22: "16 Bit Analog to Digital Converter 2, 4 Input 1 Sigma-Delta 10-VSSOP", Digikey Part Number=296-38849-1-ND, Manufacturer="Texas Instruments", Digikey Link=https://www.digikey.com/product-detail/en/texas-instruments/ADS1115IDGSR/296-38849-1-ND/5142969, Part Number=ADS1115
"U18_U_HV Sense1" "U18_U_HV Sense2" U23: "I²C Digital Isolator 2500Vrms 2 Channel 25kV/µs CMTI 20-SSOP (0.209\", 5.30mm Width)", Digikey Part Number=ADM3260ARSZ-RL7CT-ND, Manufacturer="Analog Devices", Digikey Link=https://www.digikey.com/product-detail/en/analog-devices-inc/ADM3260ARSZ-RL7/ADM3260ARSZ-RL7CT-ND/5233040, Part Number=ADM3260
U19: "ARM® Cortex®-M3 STM32F1 Microcontroller IC 32-Bit 72MHz 64KB (64K x 8) FLASH", Digikey Part Number=497-6063-ND, Manufacturer=STMicroelectronics, Digikey Link=https://www.digikey.com/product-detail/en/stmicroelectronics/STM32F103C8T6/497-6063-ND/1646338, Part Number=STM32F103C8T6
U20: "IC REG LINEAR 3.3V 300MA SOT23-5", Digikey Part Number=1028-1014-1-ND, Manufacturer=Richtek, Digikey Link=https://www.digikey.com/products/en?keywords=1028-1014-1-ND, Part Number=RT9193-33GB
U21: "IC COMP LO PWR SGL V SOT 23-5L", Digikey Part Number=497-2275-2-ND, Manufacturer=STMicroelectronics, Digikey Link=https://www.digikey.com/product-detail/en/stmicroelectronics/TS391ILT/497-2275-2-ND/599407, Part Number=TS391ILT
X1: library part ABLS-16.000MHZ-B4-T, Digikey Part Number=535-10226-1-ND, Load Capacitance=18pF, Manufacturer="Abracon LLC", Digikey Link=https://www.digikey.com/product-detail/en/abracon-llc/ABLS-16.000MHZ-B4-T/535-10226-1-ND/2184261, ESR=40R, Part Number=ABLS-16.000MHZ-B4-T
X2: library part "FC-135 32.7680KA-A5", Digikey Part Number=SER4103TR-ND, Load Capacitance=12.5pF, Manufacturer=EPSON, Digikey Link=https://www.digikey.com/product-detail/en/epson/FC-135-32.7680KA-A5/SER4103TR-ND/5259895, ESR=70k, Part Number="FC-135 32.7680KA-A5"

## Free pads (board coordinates)
  round 354.33 hole 165.35: 0(885.83,561.02) 0(885.83,1574.8) 0(885.83,3543.31) 0(885.83,4753.94) 0(3769.69,1574.8) 0(3769.69,3543.31) 0(6003.94,561.02) 0(6003.94,1574.8) 0(6003.94,3543.31) 0(6003.94,4753.94)

## Via types
v1: diameter 26, hole 13, Top Layer to Bottom Layer, 363 vias

## Nets (pads, with @x,y where several pads share a name; then routed paths per layer and width w, separated by ;. In a path a pad name is that pad's centre, name@x,y a point inside that pad or via, vN(x,y) a via of type N, cw(c..) or ccw(c..) an arc to the next point about the centre after c; other vN are vias at no path point)
0V: C14.1 C15.1 R2.1 U4.2 | length 278
  Top Layer w8: U4.2@5996.06,3114.17 6097.44,3114.17 C15.1@6102.36,3119.09 6102.36,3218.97 C14.1@6103.39,3220 ; R2.1@6051.18,3844.49 6052.17,3843.51 v1(6052.17,3776.57)